# Altium PCB RelayTesterggf.PcbDoc (part 1 of 2)
Units mm, origin at the board's own origin, x right, y up, seen from the top; angles counter-clockwise.
Board outline 86 x 93 mm, 2 copper layers (Top Layer, Bottom Layer); 184 components, 140 nets, 718 pads, 177 vias.
Unrouted connection lines stored in the file: 16.
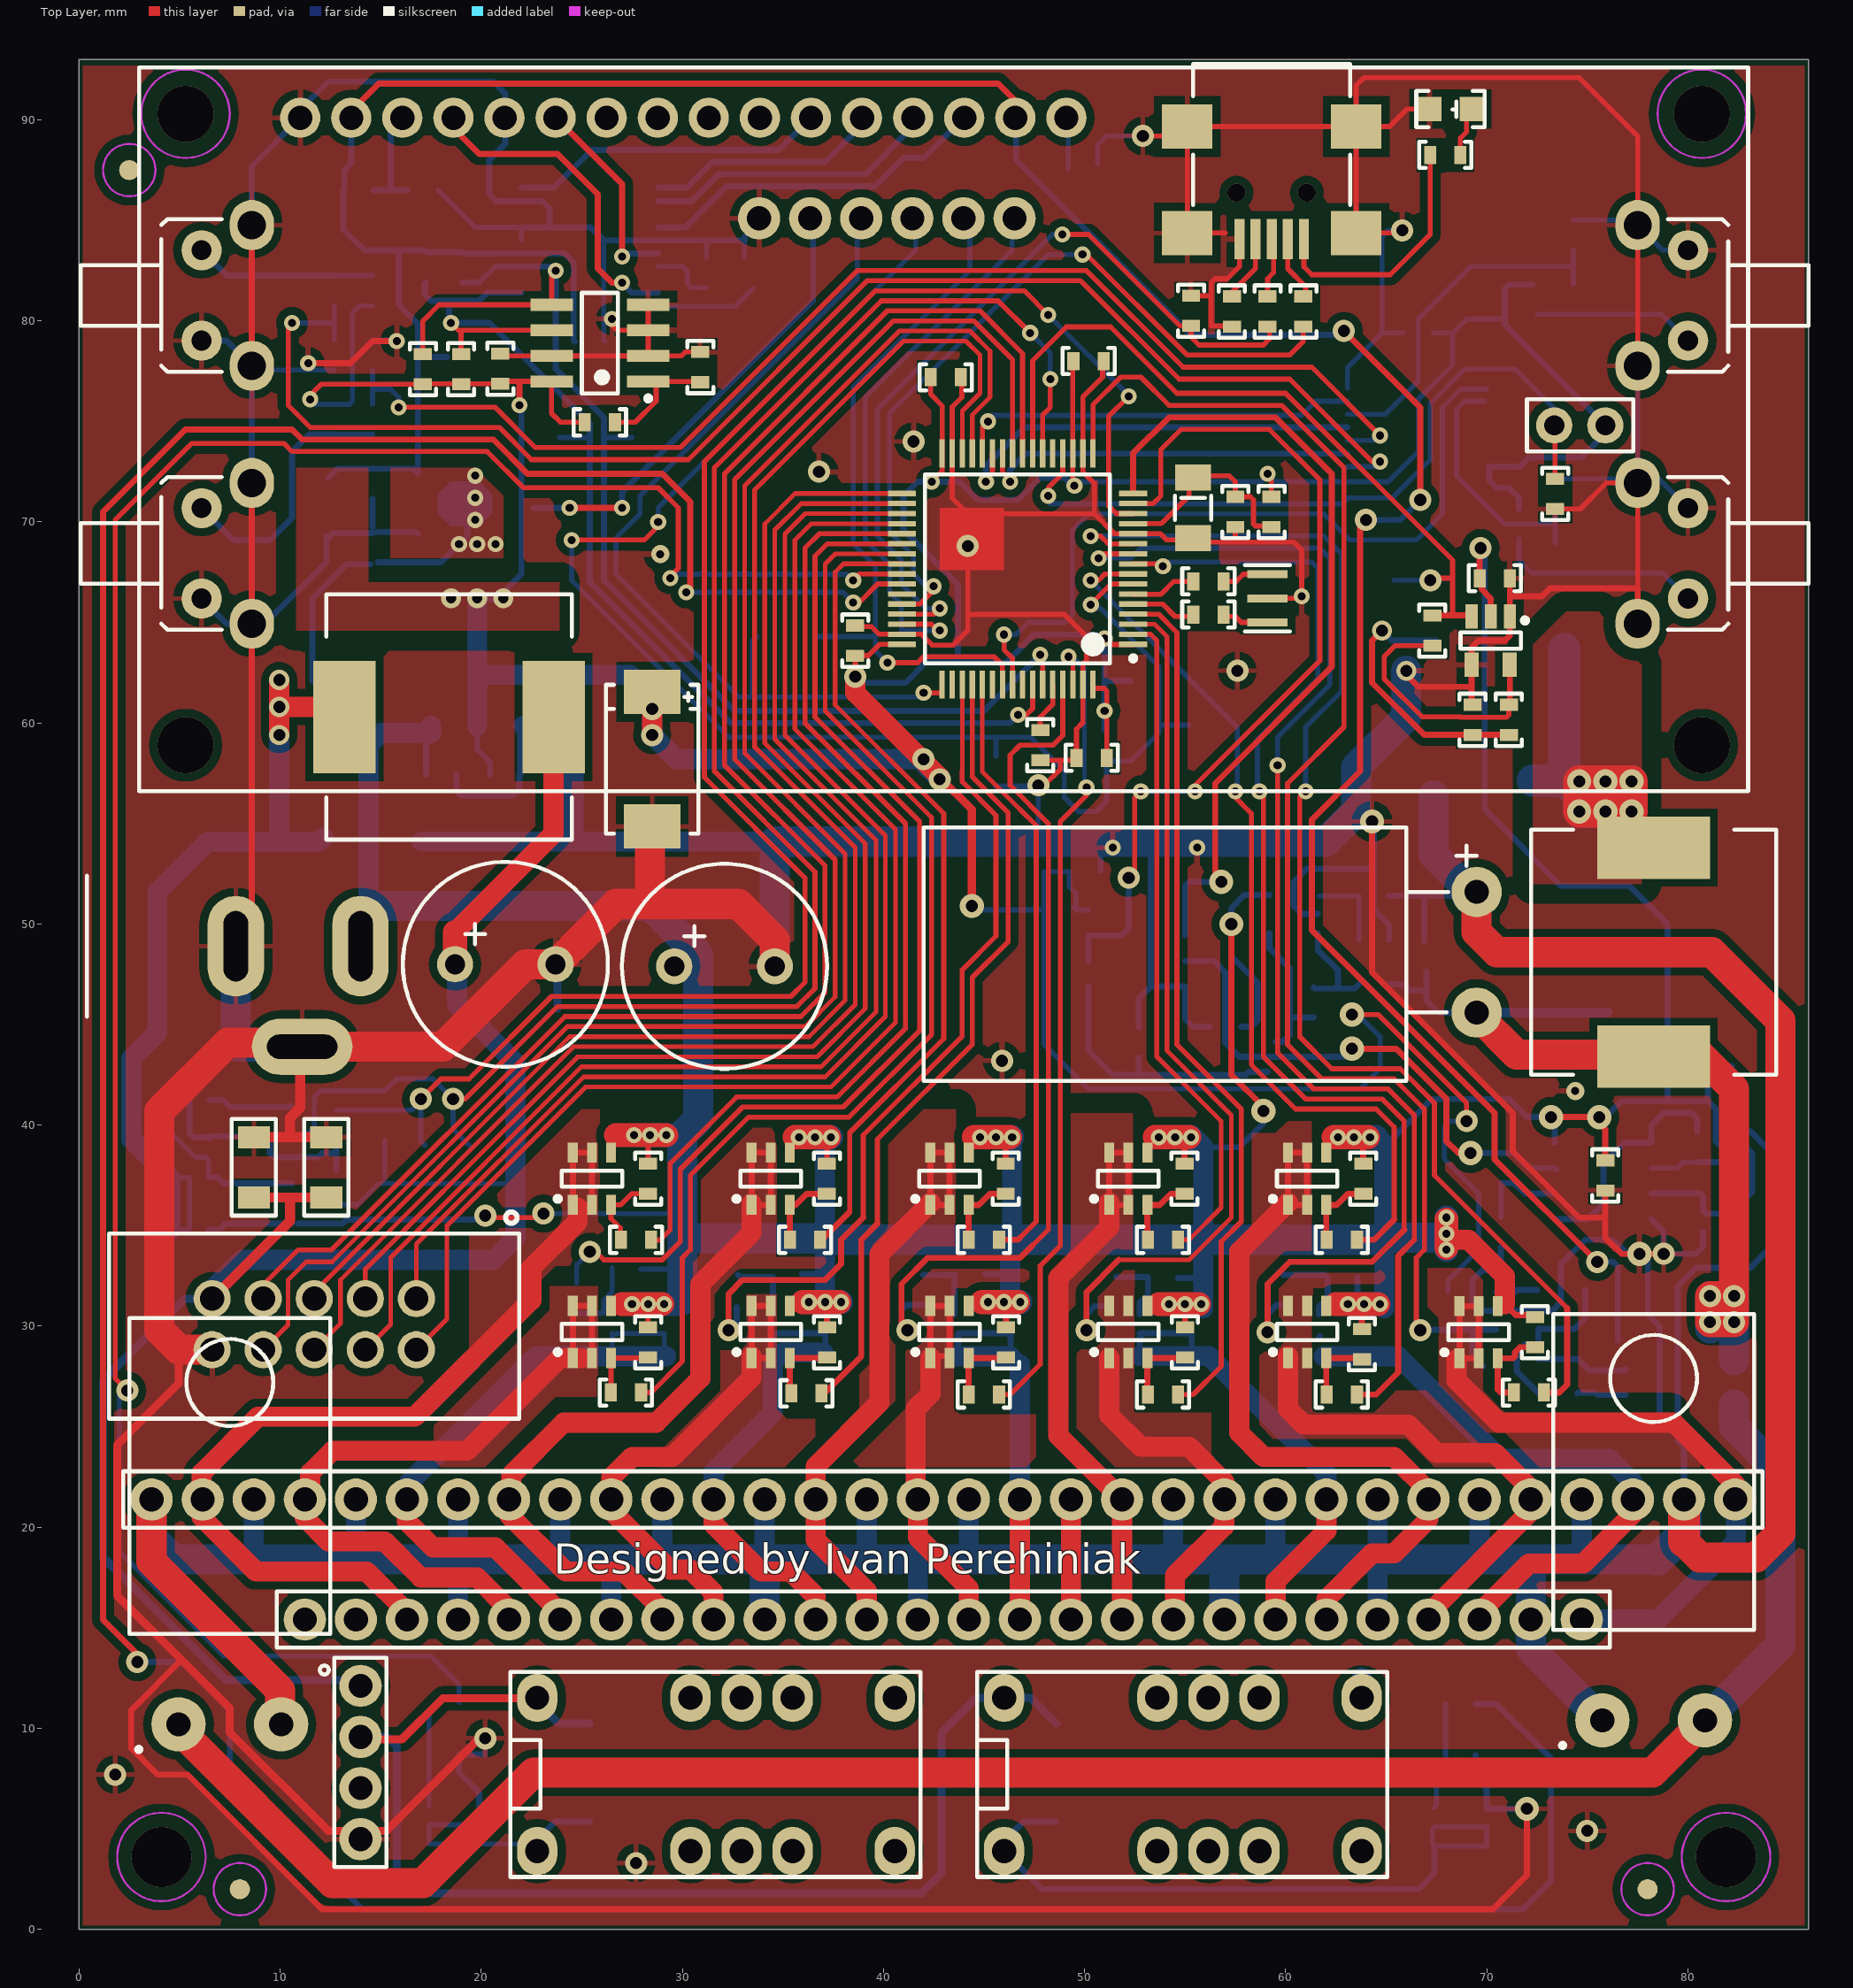
[diagram p0: Top Layer view]
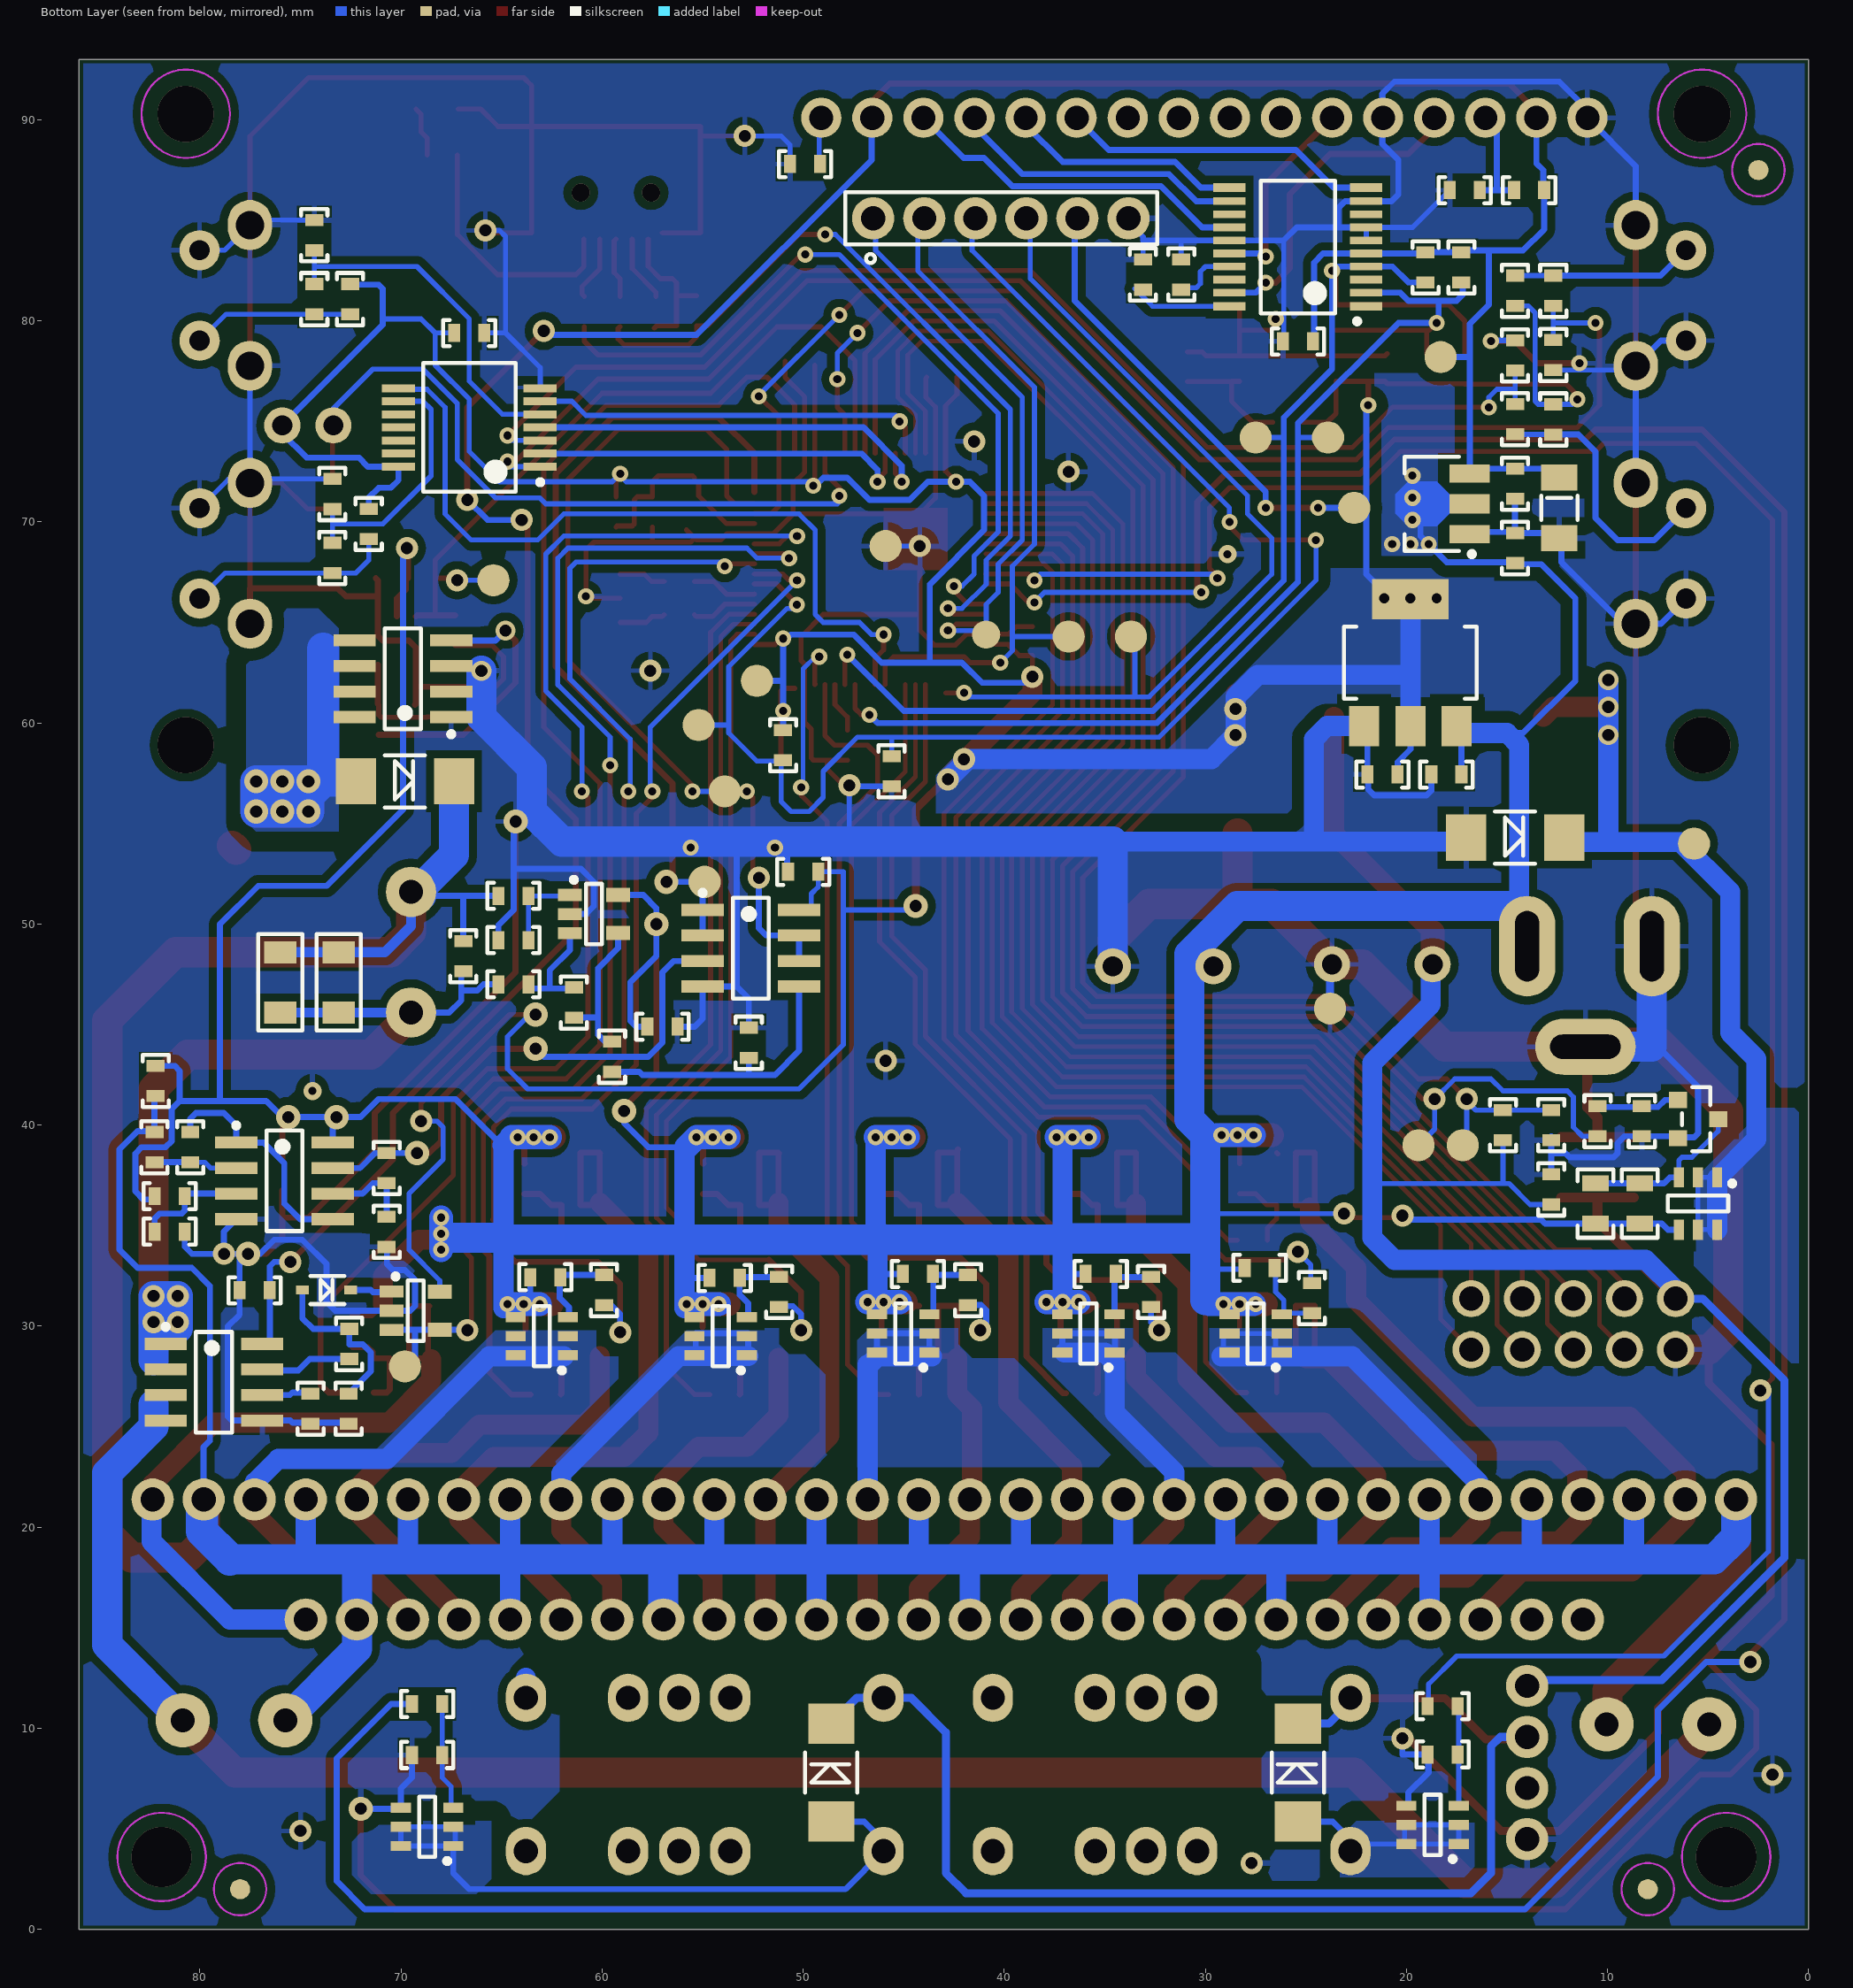
[diagram p1: Bottom Layer view, seen from below]

## Layer stack, top to bottom
Top Solder: solder mask 0.0102, Solder Resist, Dk 3.5
Top Layer: signal copper 0.0356
Dielectric 1: dielectric 0.32, FR-4, Dk 4.8
Bottom Layer: signal copper 0.0356
Bottom Solder: solder mask 0.0102, Solder Resist, Dk 3.5

## Board outline
0,0 86,0 86,93 0,93

## Design rules (kind name [scope] priority, off if disabled: settings)
Clearance Clearance_5 [(InNamedPolygon('GND_L01_P052') OR  InNamedPolygon('GND_L02_P054')) vs InPolygon] p1: gap=1
Clearance Clearance_4 [(InNamedPolygon('GND_L01_P052') OR  InNamedPolygon('GND_L02_P054'))] p2: gap=0.4
Clearance Clearance_3 [InPolygon vs OnLayer('Keep-Out Layer')] p3: gap=0.2
Clearance [(InPolygon AND(InNet('VDD') OR InNet('+5V') OR InNet('VSUPPLY')OR InNet('NetD2_1')OR InNet('NetD1_2')OR  InNet('NetD3_1') OR InNet('NetD4_1')))] p4: gap=0.6
Clearance Clearance_2 [(InPolygon AND(InNet('MOSOUT1') OR InNet('MOSOUT2')OR  InNet('MOSOUT3')OR InNet('MOSOUT4')OR InNet('MOSOUT5')OR InNet('MOSOUT6') OR   InNet('MOSOUT7')OR InNet('MOSOUT8') OR InNet('MOSOUT9')OR InNet('MOSOUT10')OR InNet('MOSOUT11')OR InNet('MOSOUT12')OR InNet('MOSOUT13')OR InNet('MOSOUT14')OR InNet('MOSOUT15')OR InNet('MOSOUT16')))] p5: gap=0.4
Clearance Clearance_1 [All] p6: gap=0.2
ComponentClearance [All] p1 off: gap=0.254 collisioncheckmode=3 verticalgap=0.254 showdistances=FALSE
PlaneConnect [All] p1: planeconnectstyle=Relief reliefexpansion=0.508 reliefentries=4 reliefconductorwidth=0.254 reliefairgap=0.4
PolygonConnect PolygonConnect_3 [(InNamedPolygon('GND_L01_P052') OR  InNamedPolygon('GND_L02_P054')) vs (HasFootprint('1206(Tantal A)') AND InDifferentialPairClass('All Differential Pairs'))] p1: connectstyle=Direct reliefconductorwidth=0.254 reliefentries=4 polygonreliefangle="90 Angle" airgapwidth=0.254
PolygonConnect PolygonConnect_2 [(InNamedPolygon('GND_L01_P052') OR  InNamedPolygon('GND_L02_P054'))] p2: connectstyle=Relief reliefconductorwidth=0.3 reliefentries=4 polygonreliefangle="90 Angle" airgapwidth=0.4
PolygonConnect [(InNet('MOSOUT1') OR InNet('MOSOUT2')OR  InNet('MOSOUT3')OR InNet('MOSOUT4')OR InNet('MOSOUT5')OR InNet('MOSOUT6') OR   InNet('MOSOUT7')OR InNet('MOSOUT8') OR InNet('MOSOUT9')OR InNet('MOSOUT10')OR InNet('MOSOUT11')OR InNet('MOSOUT12')OR InNet('MOSOUT13')OR InNet('MOSOUT14')OR InNet('MOSOUT15')OR InNet('MOSOUT16') OR InNet('VDD')OR InNet('VSUPPLY')OR InNet('NetD2_1')OR InNet('NetD1_2')OR InNet('NetD3_1')OR InNet('NetD4_1'))] p3: connectstyle=Direct reliefconductorwidth=0.254 reliefentries=4 polygonreliefangle="90 Angle" airgapwidth=0.254
PolygonConnect PolygonConnect_1 [All] p4: connectstyle=Relief reliefconductorwidth=0.254 reliefentries=4 polygonreliefangle="90 Angle" airgapwidth=0.4
RoutingVias PowerVias [(InNet('COILSUPPLY') OR InNet('MOSOUT11') OR InNet('MOSOUT2') OR InNet('MOSOUT3') OR InNet('MOSOUT4') OR InNet('MOSOUT5') OR InNet('MOSOUT6') OR InNet('MOSOUT7') OR InNet('MOSOUT8') OR InNet('MOSOUT9') OR InNet('MOSOUT10') OR InNet('MOSOUT11') OR InNet('MOSOUT12') OR InNet('MOSOUT13') OR InNet('MOSOUT14') OR InNet('MOSOUT15') OR InNet('MOSOUT16') OR InNet('REZSOURSE') OR InNet('REZSOURSE1') OR InNet('VSUPPLY') OR InNet('VSUPPLY1'))] p1: holewidth=0.5 width=0.9 viastyle="Through Hole" minholewidth=0.5 minwidth=0.9 maxholewidth=0.7 maxwidth=1.2
RoutingVias [All] p2: holewidth=0.4 width=0.8 viastyle="Through Hole" minholewidth=0.4 minwidth=0.7 maxholewidth=0.5 maxwidth=0.9
SolderMaskExpansion [All] p1: expansion=0.102
Width Width_Power [(InNet('COILSUPPLY') OR InNet('MOSOUT11') OR InNet('MOSOUT2') OR InNet('MOSOUT3') OR InNet('MOSOUT4') OR InNet('MOSOUT5') OR InNet('MOSOUT6') OR InNet('MOSOUT7') OR InNet('MOSOUT8') OR InNet('MOSOUT9') OR InNet('MOSOUT10') OR InNet('MOSOUT11') OR InNet('MOSOUT12') OR InNet('MOSOUT13') OR InNet('MOSOUT14') OR InNet('MOSOUT15') OR InNet('MOSOUT16') OR InNet('REZSOURSE') OR InNet('REZSOURSE1') OR InNet('VSUPPLY') OR InNet('VSUPPLY1'))] p1: maxlimit=2 minlimit=0.2 preferedwidth=1
Width [All] p2: maxlimit=2 minlimit=0.2 preferedwidth=0.25
28 further rules are at their usual default settings.

## Components (designator, comment, footprint, x,y, rotation, side; value= is the part's Value field where it differs from the comment)
C1 "0.1uF" C0603 70.4,67.2 r0 top
C2 "0.1uF" C0603 57,44.9 r0 bottom
C3 "0.1uF" C0603 50.2,78 r180 top
C4 "0.1uF" C0603 38.6,64.1 r270 top
C5 "0.1uF" C0603 50.354,58.266 r0 top
C6 "0.1uF" C0603 43.1,77.2 r180 top
C7 "0.1uF" C0603 57.5,70.5 r90 top
C8 "220uF" CAP10x12 32.1,47.9 r90 top
C9 "4,7uF" "1206(Tantal A)" 55.4,70.7 r270 top
C10 "0.1uF" C0603 18.015,57.438 r180 bottom
C11 "1000uF" CAP10x12 21.2,48 r90 top
C12 "0.1uF" C0603 21.19,57.438 r180 bottom
C13 "0.1uF" C0603 66.9,48.4 r270 bottom
C14 "0.1uF" C0603 12.8,36.8 r270 bottom
C15 "47uF" "2917(Tantal D)" 28.5,58.2 r270 top
C16 "3300uF" CAP12.5X20P 69.5,48.6 r0 top
C17 "0.1uF" C0603 20.952,77.625 r270 top
C18 "0.1uF" C0603 66.6,79.4 r0 bottom
C19 "0.1uF" C0603 12.7,78.3 r90 bottom
C20 "0.1uF" C0603 14.6,78.283 r270 bottom
C21 "0.1uF" C0603 74.306,84.259 r270 bottom
C22 "0.1uF" C0603 73.406,71.386 r270 bottom
C23 "2nF" C0603 82.2,42.2 r270 bottom
C24 "0.1uF" C0603 14.6,68.7 r270 bottom
C25 "0.1uF" C0603 14.6,71.9 r90 bottom
C26 "0.1uF" C0603 25.4,78.979 r180 bottom
C27 "4,7uF" "1206(Tantal A)" 12.4,70.7 r270 bottom
C28 "0.1uF" C0603 77.27,31.785 r180 bottom
C29 "2nF" C0603 74.5,25.9 r90 bottom
C30 "0.1uF" C0603 75.9,37.5 r90 top
C31 "0.1uF" C0603 50,52.6 r180 bottom
C32 "1uF" C0603 45.6,57.6 r270 bottom
D1 "SK54A-LTP" SMA 14.6,54.3 r180 bottom
D2 "SK54A-LTP" SMA 69.8,57.1 r180 bottom
D3 "ES1J" SMA 25.4,7.8 r90 bottom
D4 "ES1J" SMA 48.6,7.8 r90 bottom
D5 "1N4148W" SOD323 73.7,31.8 r180 bottom
DA1 "LM358" SOIC_N 75.79,37.229 r180 bottom
DA2 "LMV321" SOT23-5 69.269,30.769 r180 bottom
DA3 "LM358" SOIC_N 52.6,48.8 r180 bottom
DA4 "LM321" SOT23-5 60.4,50.5 r180 bottom
IC1 "MCP1416" SOT23-5 70.2,64.1 r270 top
IC3 "NCP1117ST33T3" SOT-223 19.8,63 r180 bottom
IC4 "M24C32" SOIC_N 25.905,78.895 r180 top
IC5 "74HC14" SSOP14 66.6,74.7 r0 bottom
IC6 "PCF8574" SSOP-20N 25.4,83.678 r0 bottom
IC7 "KA79L05" SOT89-3 18.2,70.9 r0 bottom
IC8 "ACS712 5A" SOIC_N 79.302,27.213 r180 bottom
L1 "BLM18" L0603 59.3,70.5 r270 top
L2 "470uH" B82477G4 18.4,60.3 r0 top
L3 "22uH" B82477G4 78.3,48.6 r270 top
LCD1 "1602" DISPLAY1602 43,74.6 r0 top
LED1 "Green LED" LED0805 68.199,90.536 r180 top
Q1 "8MHz" CSTCE_V 59.1,66.2 r270 top
R1 "1k" R0603 67.945,88.25 r180 top
R2 "10k" R0603 73.4,71.4 r90 top
R3 "22R" R0603 60.883,80.468 r270 top
R4 "22R" R0603 59.105,80.468 r270 top
R5 "100k" R0603 57.327,80.468 r270 top
R6 "1k5" R0603 55.3,80.5 r270 top
R7 "22R" R0603 71.1,60.16 r270 top
R8 "100R" R0603 10.5,40.2 r90 bottom
R9 "100k" R0603 69.3,60.16 r270 top
R10 "100k" R0603 8.3,40.2 r270 bottom
R11 "10k" R0603 30.9,77.7 r270 top
R12 "100k" R0603 25.905,74.958 r180 top
R13 "10k" R0603 15.2,40 r90 bottom
R14 "10k" R0603 59.5,43.4 r90 bottom
R15 "3k3" R0603 12.8,40 r90 bottom
R16 "10k" R0603 47.8,58.9 r270 top
R17 "3k3" R0603 52.7,44.1 r270 bottom
R18 "0R" R0603 56.161,65.393 r0 top
R19 "220R" R0603 56.161,67.044 r0 top
R20 "10k" R0603 19,77.6 r270 top
R21 "10k" R0603 17.1,77.6 r270 top
R22 "150R" R0603 27.7,34.3 r180 top
R23 "150R" R0603 36.176,26.665 r180 top
R24 "150R" R0603 41.8,31.8 r90 bottom
R25 "150R" R0603 62.8,34.3 r180 top
R26 "100k" R0603 28.302,37.333 r270 top
R27 "100k" R0603 37.2,29.2 r270 top
R28 "100k" R0603 44.3,32.6 r180 bottom
R29 "100k" R0603 63.862,37.333 r270 top
R30 "4.7R 50W" TO-220-2-hor 78.3,10.4 r0 top
R31 "10k" R0603 14.6,81.5 r270 bottom
R32 "10k" R0603 12.7,75.1 r90 bottom
R33 "10k" R0603 72.528,81.084 r90 bottom
R34 "10k" R0603 71.6,69.9 r90 bottom
R35 "4.7R 50W" TO-220-2-hor 7.5,10.2 r0 top
R36 "150R" R0603 27.2,26.7 r180 top
R37 "150R" R0603 32.7,31.7 r90 bottom
R38 "150R" R0603 53.9,34.3 r180 top
R39 "150R" R0603 62.8,26.6 r180 top
R40 "100k" R0603 12.7,81.5 r270 bottom
R41 "100k" R0603 14.6,75.108 r90 bottom
R42 "100k" R0603 74.306,81.084 r90 bottom
R43 "100k" R0603 73.406,68.211 r90 bottom
R44 "100k" R0603 28.3,29.2 r270 top
R45 "100k" R0603 35.2,32.6 r180 bottom
R46 "100k" R0603 54.972,37.333 r270 top
R47 "100k" R0603 63.8,29.1 r270 top
R48 "100k" R0603 82.255,38.905 r270 bottom
R49 "100k" R0603 81.505,36.467 r180 bottom
R50 "100k" R0603 80.477,38.905 r90 bottom
R51 "100k" R0603 81.5,34.7 r180 bottom
R52 "150R" R0603 24.7,31.4 r270 bottom
R53 "150R" R0603 45,34.3 r180 top
R54 "150R" R0603 53.9,26.6 r180 top
R55 "150R" R0603 59.898,31.8 r90 bottom
R56 "100k" R0603 27.3,32.9 r180 bottom
R57 "100k" R0603 46.082,37.333 r270 top
R58 "100k" R0603 55,29.2 r270 top
R59 "100k" R0603 62.819,32.435 r180 bottom
R60 "10k" R0603 17.272,82.662 r90 bottom
R61 "10k" R0603 19.05,82.662 r90 bottom
R62 "1k" R0603 70.71,34.689 r90 bottom
R63 "20k 0.1%" R0603 70.71,37.864 r90 bottom
R64 "150R" R0603 36.1,34.3 r180 top
R65 "150R" R0603 45,26.6 r180 top
R66 "150R" R0603 51.2,31.7 r90 bottom
R67 "150R" R0603 72.1,26.7 r180 top
R68 "100k" R0603 37.192,37.333 r270 top
R69 "100k" R0603 46.1,29.2 r270 top
R70 "100k" R0603 53.9,32.4 r180 bottom
R71 "100k" R0603 72.4,29.7 r270 top
R72 "10k" R0603 33.1,82.3 r270 bottom
R73 "10k" R0603 31.2,82.3 r270 bottom
R74 "510R" R0603 49.9,87.8 r0 bottom
R75 "150R" R0603 18.2,11.1 r180 bottom
R76 "150R" R0603 68.701,11.209 r180 bottom
R77 "100k" R0603 18.2,8.7 r0 bottom
R78 "100k" R0603 68.701,8.669 r0 bottom
R79 "2k" R0603 72.571,29.118 r90 bottom
R80 "10k" R0603 13.9,86.5 r180 bottom
R81 "1k" R0603 17.1,86.5 r180 bottom
R82 "10k" R0603 72.6,25.9 r90 bottom
R83 "100k" R0603 64.4,47 r180 bottom
R84 "100k" R0603 64.4,51.4 r180 bottom
R85 "100k" R0603 61.4,46.1 r270 bottom
R86 "100k" R0603 64.4,49.2 r0 bottom
R87 "1k5" R0805 10.6,36.1 r270 bottom
R88 "1k5" R0805 8.4,36.1 r270 bottom
R89 "100R" R0603 67.3,64.6 r270 top
R90 "10k" R0603 51,58.9 r90 bottom
R91 "1k" R1206 12.3,37.9 r270 top
R92 "1k" R1206 8.7,37.9 r270 top
R93 "1k" R1206 73.1,47.1 r90 bottom
R94 "1k" R1206 76,47.1 r90 bottom
S1 "1301.9503" SW_TACT_HOR 6.096,81.265 r0 top
S2 "1301.9503" SW_TACT_HOR 6.096,68.438 r0 top
S3 "1301.9503" SW_TACT_HOR 80.01,81.265 r180 top
S4 "1301.9503" SW_TACT_HOR 80.01,68.438 r180 top
T1 "STS11NF30L" SOIC_N 69.9,62.2 r0 bottom
T2 "IRLML2402" SOT-23 5.5,40.3 r270 bottom
T3 "BSL207" "SOT23-6 - MOSFET" 25.508,37.333 r90 top
T4 "BSL207" "SOT23-6 - MOSFET" 34.398,29.713 r90 top
T5 "BSL207" "SOT23-6 - MOSFET" 45.026,29.641 r0 bottom
T6 "BSL207" "SOT23-6 - MOSFET" 61.068,37.333 r90 top
T7 "BSL207" "SOT23-6 - MOSFET" 25.508,29.713 r90 top
T8 "BSL207" "SOT23-6 - MOSFET" 35.816,29.641 r0 bottom
T9 "BSL207" "SOT23-6 - MOSFET" 52.178,37.333 r90 top
T10 "BSL207" "SOT23-6 - MOSFET" 61.068,29.713 r90 top
T11 "BSL207" "SOT23-6 - MOSFET" 27.5,29.641 r0 bottom
T12 "BSL207" "SOT23-6 - MOSFET" 43.288,37.333 r90 top
T13 "BSL207" "SOT23-6 - MOSFET" 52.178,29.713 r90 top
T14 "BSL207" "SOT23-6 - MOSFET" 63,29.5 r0 bottom
T15 "BSL207" "SOT23-6 - MOSFET" 34.398,37.333 r90 top
T16 "BSL207" "SOT23-6 - MOSFET" 43.288,29.713 r90 top
T17 "BSL207" "SOT23-6 - MOSFET" 54.1,29.5 r0 bottom
T18 "BSL207" "SOT23-6 - MOSFET" 69.6,29.7 r90 top
T19 "BSL207" "SOT23-6 - MOSFET" 5.5,36.1 r270 bottom
T20 "IRFTS8342" "SOT23-6 - MOSFET" 18.7,5.2 r0 bottom
T21 "IRFTS8342" "SOT23-6 - mosfet" 68.7,5.1 r0 bottom
U1 "STM32F103RCT6" STM-LQFP64_V 46.671,67.664 r180 top
XT1 "UX60-MB-5ST" MiniUSB 59.309,87.869 r180 top
XT2 "PLS-2" PLS-2 75.9,74.8 r0 top
XT3 "PowerJack5,5/2,1mm" PowerJack5.5x2.1 7.8,48.9 r0 top
XT4 "RelSocket" RelaySocket16Pin 32.947,7.707 r0 top
XT5 "RelSocket" RelaySocket16Pin 56.163,7.707 r0 top
XT6 "IDC10" PLD10-2 11.7,30.1 r180 top
XT7 "PLS-32" PLS-32female 3.61,21.382 r0 top
XT8 "PLS-26" PLS-26female 11.23,15.413 r0 top
XT9 "PLS-6" PLS-6 38.9,85.1 r180 bottom
XT10 "PLS-4" PLS-4 14,8.3 r270 top

## Footprints (in the part's own frame and the unit in brackets; to place one, negate y for a bottom-side part, rotate by r counter-clockwise, add the part's x,y. Pads: shape width x height; smd on the part's side, far side on the other; paste and mask are expansions set on the pad)
"1206(Tantal A)" [mm]
  rect 1.3x1.8 smd: 1(-1.5,0) 2(1.5,0)
  silkscreen extent -0.6,-0.9 0.6,0.9, body extent -1.7,-0.9 1.7,0.9, height 1.7
"2917(Tantal D)" [mm]
  rect 2.2x2.8 smd: 1(-3.35,0) 2(3.35,0)
  silkscreen extent -3.7,-2.3 3.7,2.3, body extent -3.7,-2.22 3.7,2.23, height 3.01
B82477G4 [mm]
  rect 3.1x5.6 smd: 1(-5.2,0) 2(5.2,0)
  silkscreen extent -6.1,-6.1 6.1,6.1, body extent -6,-6 6,6, height 8
C0603 [mm]
  rect 0.6x0.9 smd: 1(-0.75,0) 2(0.75,0)
  silkscreen extent -1.3,-0.65 1.3,0.65, body extent -0.8,-0.4 0.8,0.4, height 0.8
CAP10x12 [mm]
  round 1.8 hole 1: 1(0,2.5) 2(0,-2.5)
  silkscreen extent -5.1,-5.1 5.1,5.1, body extent -5,-5 5,5, height 12.6
CAP12.5X20P [mm] "5mm Pitch"
  round 2.5 hole 1.2: 1(0,3) 2(0,-3)
  silkscreen extent -27.5,-6.4 0,6.2, body extent -23.6,-6.35 0.4,6.15, height 13.25